# Altium PCB CRD25DA12N-FMC V2 (09-2024).PcbDoc (part 6 of 6)
Units mil, origin at the board's own origin, x right, y up, seen from the top; angles counter-clockwise.
Board outline 8000 x 8000 mil, 6 copper layers (Top Layer, Layer 2, Layer 3, Layer 4, Layer 5, Bottom Layer), stack 91 mil thick; 602 components, 333 nets, 1670 pads, 639 vias.
Unrouted connection lines stored in the file: 1.
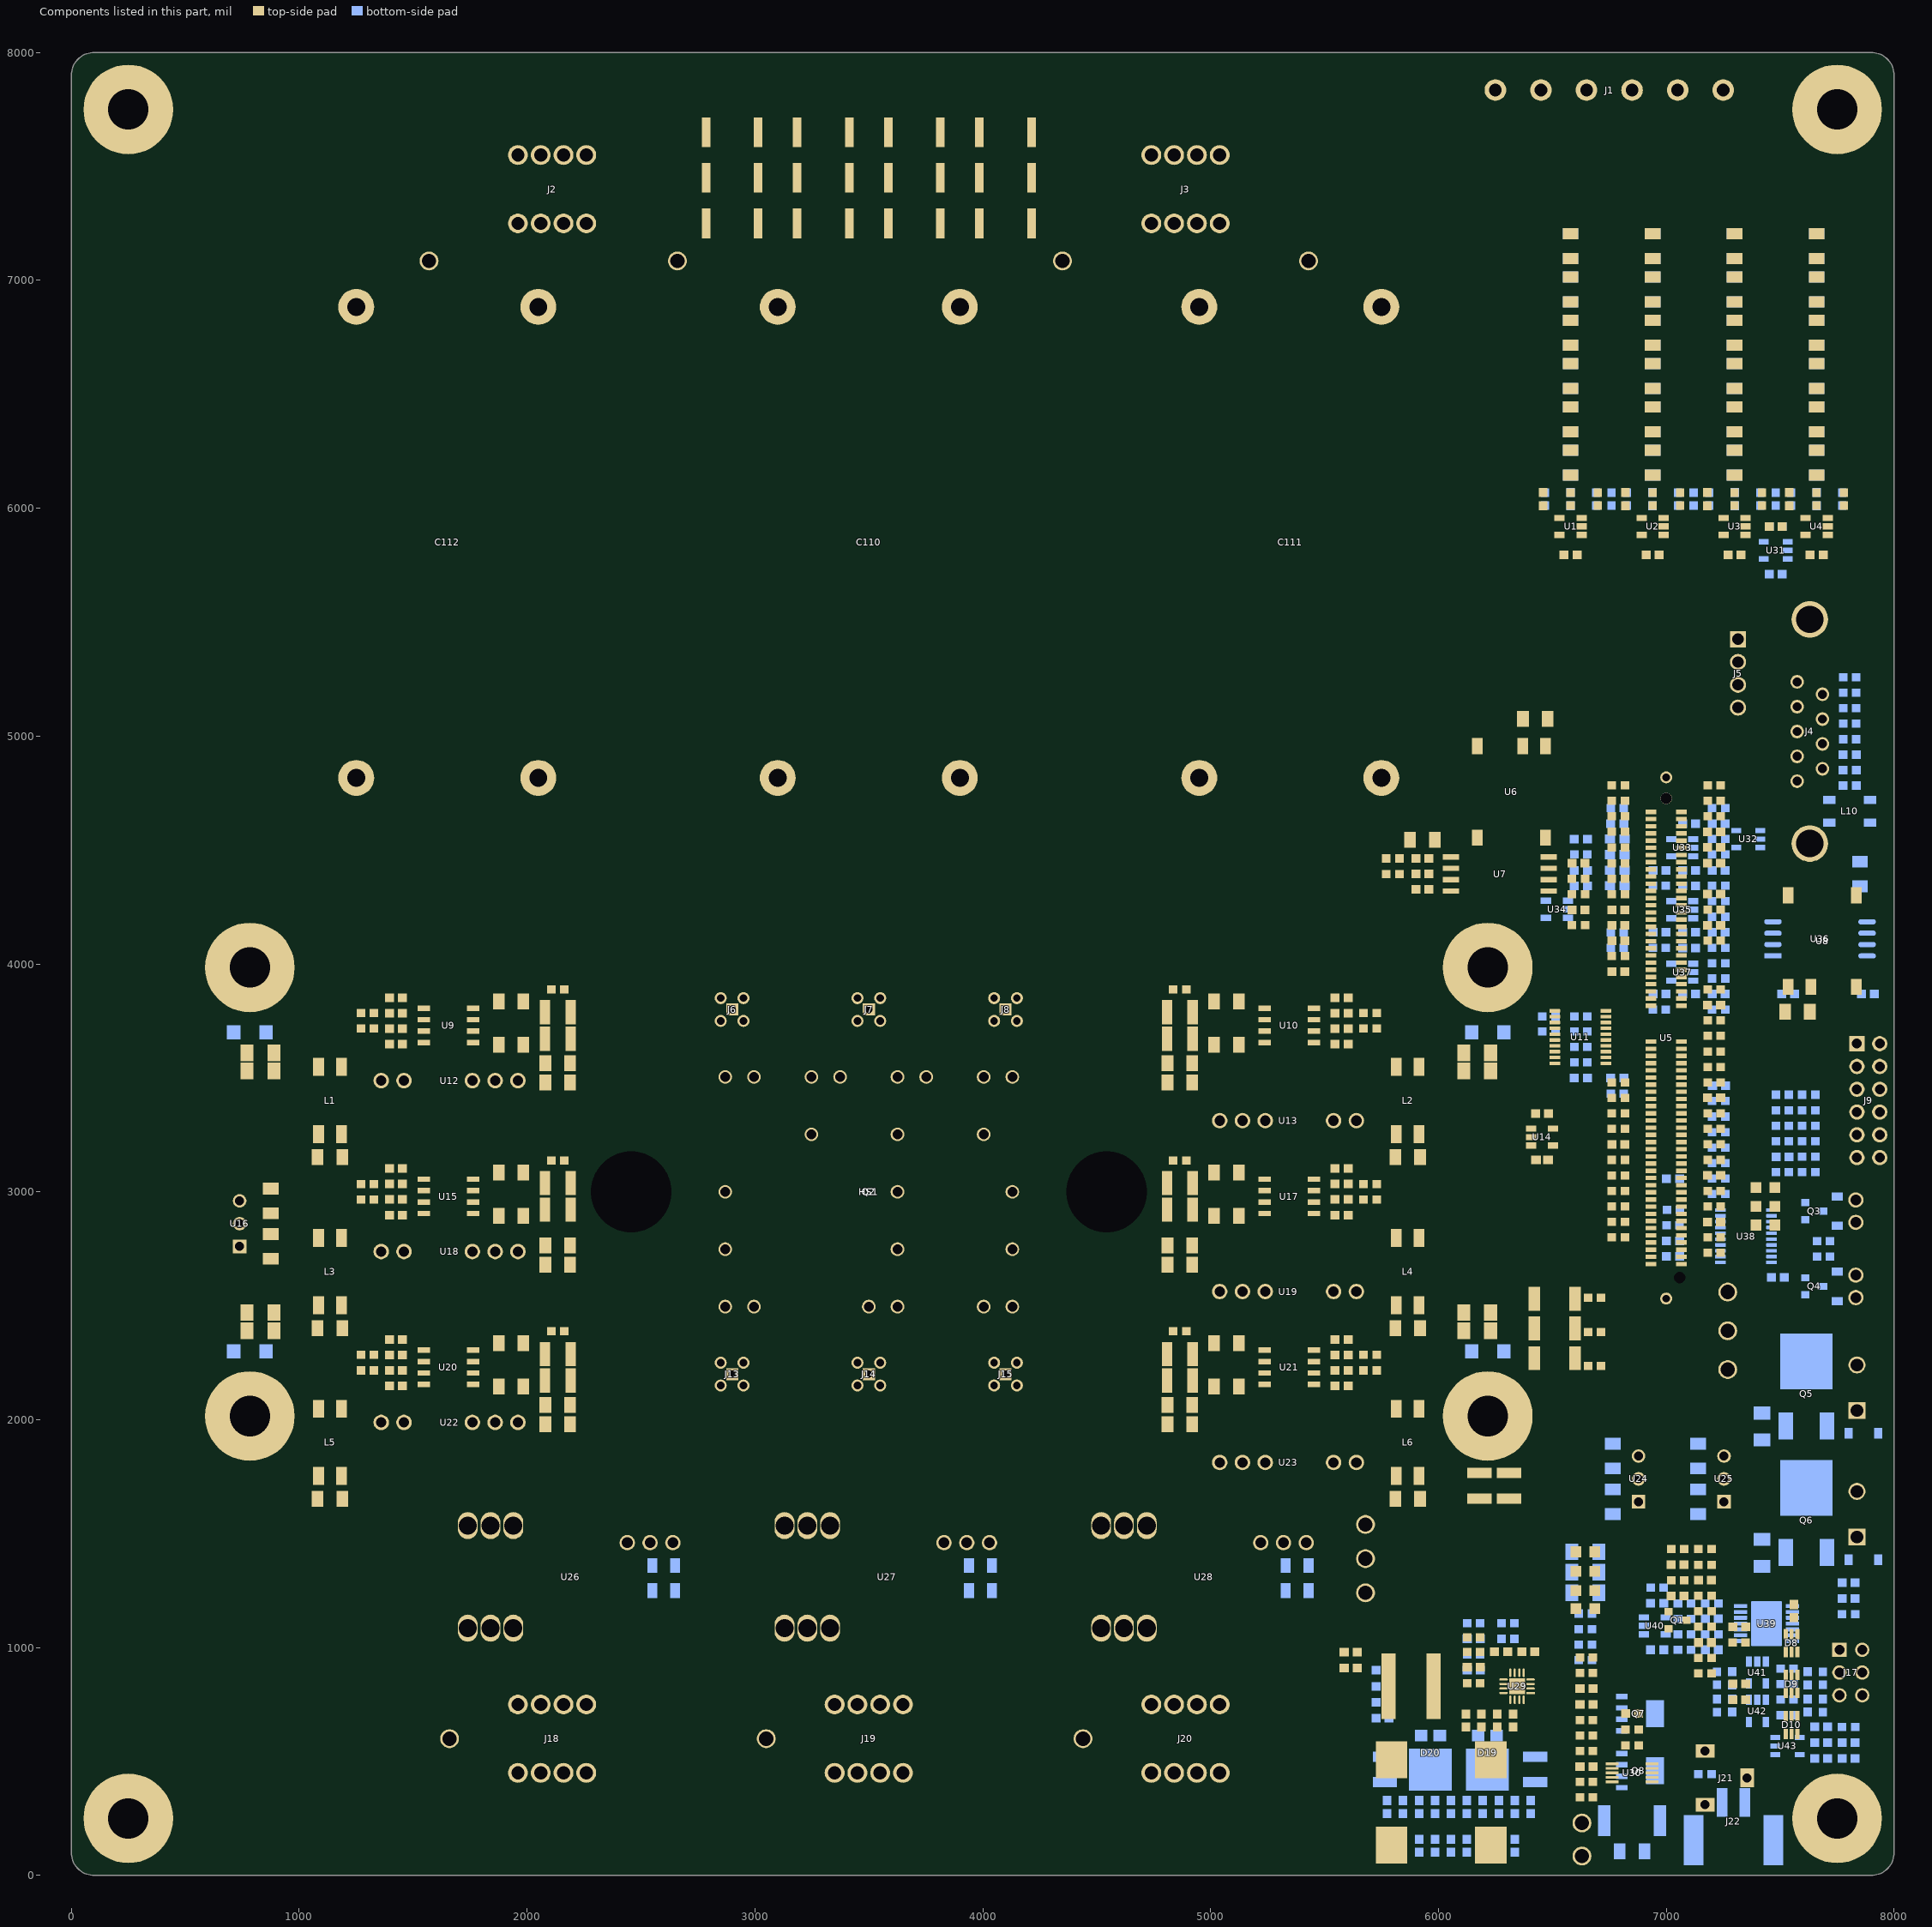
[diagram p10: the components of this part, seen from the top]

## Polygon pours and split planes (outlines as drawn) (continued)
+15V on Bottom Layer "Bottom Layer-+15V 1" (solid, pour order 1128): 3980,1334.96 3980,1489.91 ccw(c3954.91,1489.91) 3954.98,1515 3914.95,1515 ccw(c3915.07,1489.93) 3890,1489.92 3890,1405 3890,1391.3 3890,1334.98 ccw(c3915.03,1335.03) 3914.94,1310 3954.97,1310 ccw(c3954.97,1335.03)
GND on Bottom Layer "Bottom Layer-GND 2" (solid, pour order 1127): 4115,1234.92 4115,1365.14 ccw(c4067.49,1367.5) 4070.08,1415 4035,1415 ccw(c4035.07,1369.93) 3990,1370 3990,1234.92 ccw(c4037.46,1237.47) 4039.85,1190 4070.08,1190 ccw(c4069.99,1235.01)
+15V on Bottom Layer "Bottom Layer-+15V 2" (solid, pour order 1125): 2590,1334.96 2590,1489.91 ccw(c2564.91,1489.91) 2564.98,1515 2524.95,1515 ccw(c2525.07,1489.93) 2500,1489.92 2500,1405 2500,1391.3 2500,1334.98 ccw(c2525.03,1335.03) 2524.94,1310 2564.97,1310 ccw(c2564.97,1335.03)
GND on Bottom Layer "Bottom Layer-GND 3" (solid, pour order 1124): 2720,1234.92 2720,1365 ccw(c2674.92,1369.95) 2680.08,1415 2645,1415 ccw(c2645.07,1369.93) 2600,1370 2600,1234.92 ccw(c2647.46,1237.47) 2649.85,1190 2675.08,1190 ccw(c2674.99,1235.01)
NetC47_2 on Bottom Layer "Bottom Layer-NetC106_2" (solid, pour order 1122): 24 vertices, not listed, extent 1025,3090 1515.4,3540
S3 on Bottom Layer "Bottom Layer-S3" (solid, pour order 285): 21 vertices, not listed, extent 1830,3430 2225.07,3880
-3V_V_HS on Bottom Layer "Bottom Layer--3V_V_HS" (solid, pour order 1063): 1735,3474.9 ccw(c1780,3475) 1777.5,3430.07 ccw(c1775,3475) 1820,3474.91 1820,3515.4 1820.37,3515.77 cw(c1865,3510) 1859.85,3554.7 ccw(c1859.7,3600) 1905,3599.91 1905,3835.14 ccw(c1860,3835) 1860.23,3880 1779.81,3880 ccw(c1780,3835) 1735,3835 1735,3525
+15V_V_HS on Bottom Layer "Bottom Layer-+15V_V_HS" (solid, pour order 1062): 1980,3430 2005.11,3430 ccw(c2005,3475) 2050,3474.9 2050,3480.17 ccw(c2005,3480) 2005.11,3525 1979.86,3525 ccw(c1980,3480) 1935,3480 1935,3525 1935,3477.5 1935,3474.9 ccw(c1980,3475)
S2 on Bottom Layer "Bottom Layer-S2" (solid, pour order 1035): 21 vertices, not listed, extent 1830,1930 2225.07,2380
+15V_U_LS on Bottom Layer "Bottom Layer-+15V_U_LS" (solid, pour order 1030): 1980,1930 2005.11,1930 ccw(c2005,1975) 2050,1974.9 2050,1980.17 ccw(c2005,1980) 2005.11,2025 1979.86,2025 ccw(c1980,1980) 1935,1980 1935,2025 1935,1977.5 1935,1974.9 ccw(c1980,1975)
GND on Bottom Layer "Bottom Layer-GND 1" (solid, pour order 997): 6685,1694.87 ccw(c6730,1695) 6730,1650 6805,1650 6850,1695 6905,1695 ccw(c6904.9,1740.1) 6950,1740 ccw(c6904.88,1739.88) 6905,1785 6850,1785 6805,1830 6773.42,1830 6729.89,1830 ccw(c6730,1785) 6685,1785 6685,1745
+3.3V on Bottom Layer "Bottom Layer-+3.3V" (solid, pour order 985): 6855,1795 6905,1795 ccw(c6904.94,1840.06) 6950,1840 6950,1895 ccw(c6904.94,1894.94) 6905,1940 6729.86,1940 ccw(c6730,1895) 6685,1895 6685,1884.86 ccw(c6730,1885) 6730,1840 6810,1840
+12V on Bottom Layer "Bottom Layer-+12V" (solid, pour order 979): 6855,1685 6905,1685 cw(c6904.94,1639.94) 6950,1640 6950,1585 cw(c6904.94,1585.06) 6905,1540 6729.86,1540 cw(c6730,1585) 6685,1585 6685,1595.13 cw(c6730,1595) 6730,1640 6810,1640
+5V on Bottom Layer "Bottom Layer-+5V" (solid, pour order 978): 7230,1795 7280,1795 ccw(c7279.94,1840.06) 7325,1840 7325,1895 ccw(c7279.94,1894.94) 7280,1940 7104.86,1940 ccw(c7105,1895) 7060,1895 7060,1884.86 ccw(c7105,1885) 7105,1840 7185,1840
+12V on Bottom Layer "Bottom Layer-+12V 1" (solid, pour order 977): 7230,1685 7280,1685 cw(c7279.94,1639.94) 7325,1640 7325,1585 cw(c7279.94,1585.06) 7280,1540 7104.86,1540 cw(c7105,1585) 7060,1585 7060,1595.13 cw(c7105,1595) 7105,1640 7185,1640
GND on Bottom Layer "Bottom Layer-GND 1" (solid, pour order 975): 7060,1694.87 ccw(c7105,1695) 7105,1650 7180,1650 7225,1695 7280,1695 ccw(c7279.9,1740.1) 7325,1740 ccw(c7279.88,1739.88) 7280,1785 7225,1785 7180,1830 7148.42,1830 7104.89,1830 ccw(c7105,1785) 7060,1785 7060,1745
GND_ISO on Bottom Layer "Bottom Layer-GND_ISO 2" (solid, pour order 521): 7905,3810 ccw(c7904.93,3855.07) 7950,3855 7950,3930 7870,3930 7870,3810
GND on Layer 5 "Layer 5-GND" (solid, pour order 2457): 96 vertices, not listed, extent 2380,50 7950,6175
GND on Layer 5 "Layer 3-+5V_ALT" (solid, pour order 2479): 20 vertices, not listed, extent 490,1590 1575,3890
S3 on Layer 5 "Layer 5-S2" (solid, pour order 2473): 1780,3430 2180.14,3430 ccw(c2180,3475) 2225,3475 2225,3865.14 ccw(c2180,3865) 2180,3910 1779.86,3910 ccw(c1780,3865) 1735,3865 1735,3474.86 ccw(c1780,3475)
S1 on Layer 5 "Layer 5-S2" (solid, pour order 2472): 1780,2680 2180.14,2680 ccw(c2180,2725) 2225,2725 2225,3115.14 ccw(c2180,3115) 2180,3160 1779.86,3160 ccw(c1780,3115) 1735,3115 1735,2724.86 ccw(c1780,2725)
DC- on Layer 5 "Layer 3-DC-" (solid, pour order 2106): 57 vertices, not listed, extent 760,2878.55 6240,7740
S5 on Layer 5 "Layer 5-S4" (solid, pour order 2466): 4990,3880 4940,3880 4910,3910 4814.87,3910 ccw(c4815,3865) 4770,3865 4770,3449.83 ccw(c4815,3450) 4815,3405 4890,3405 5020,3275 5220.06,3275 ccw(c5220,3320) 5265,3320 5265,3825.1 ccw(c5220,3825) 5220,3870 5000,3870
S6 on Layer 5 "Layer 5-S4" (solid, pour order 2465): 4990,3130 4940,3130 4910,3160 4814.87,3160 ccw(c4815,3115) 4770,3115 4770,2699.83 ccw(c4815,2700) 4815,2655 4890,2655 5020,2525 5220.06,2525 ccw(c5220,2570) 5265,2570 5265,3075.1 ccw(c5220,3075) 5220,3120 5000,3120
GND_ISO on Layer 5 "Layer 5-GND_ISO" (solid, pour order 2434): 19 vertices, not listed, extent 7255,3810 7950,5585
W on Layer 5 "Layer 5-W" (solid, pour order 2040): 18 vertices, not listed, extent 4045.11,1000 4880.02,2775
V on Layer 5 "Layer 5-V" (solid, pour order 2038): 17 vertices, not listed, extent 2935,1000 3709.89,2775.01
U on Layer 5 "Layer 5-U" (solid, pour order 2036): 23 vertices, not listed, extent 1545,1000 2955,2775
S4 on Layer 5 "Layer 5-S4" (solid, pour order 1930): 4990,2380 4940,2380 4910,2410 4814.87,2410 ccw(c4815,2365) 4770,2365 4770,1949.83 ccw(c4815,1950) 4815,1905 4890,1905 5020,1775 5220.06,1775 ccw(c5220,1820) 5265,1820 5265,2325.1 ccw(c5220,2325) 5220,2370 5000,2370
S2 on Layer 5 "Layer 5-S2" (solid, pour order 1853): 1780,1930 2180.14,1930 ccw(c2180,1975) 2225,1975 2225,2365.14 ccw(c2180,2365) 2180,2410 1779.86,2410 ccw(c1780,2365) 1735,2365 1735,1974.86 ccw(c1780,1975)
+5V_NTC on Top Layer "Top Layer-+5V_NTC" (solid, pour order 2507): 6180,4500 ccw(c6180,4520) 6200,4520 6200,4590 ccw(c6180,4590) 6180,4610 5960,4610 ccw(c5960,4590) 5940,4590 5940,4375 6015,4375 6015,4440 6115,4440 6115,4500
GND_NTC on Top Layer "Top Layer-GND_NTC" (solid, pour order 2500): 6125,4895 ccw(c6145,4895) 6145,4875 6175,4875 ccw(c6175,4895) 6195,4895 6195,5003.23 ccw(c6180,4990) 6180,5010 6145,5010 ccw(c6145,4990) 6125,4990
+12V on Top Layer "Top Layer-+12V 5" (solid, pour order 2080): 20 vertices, not listed, extent 671.87,3355 5880,4500
GND on Top Layer "Top Layer-GND 6" (solid, pour order 1584): 6340,2235 ccw(c6375,2235) 6374.85,2200 6455.15,2200 ccw(c6455,2235) 6490,2234.83 6490,2565.17 ccw(c6455,2565) 6455.18,2600 6374.82,2600 ccw(c6375,2565) 6340,2565
NetC48_1 on Top Layer "Top Layer-NetC135_1" (solid, pour order 2471): 5970,3134.86 cw(c5924.96,3135.04) 5924.96,3090 5915,3090 cw(c5915.08,3135.08) 5870,3135 5870,3210 5870,3255 5870,3320.16 cw(c5915,3320) 5915,3365 5980,3365 cw(c5980,3320) 6025,3320.16 6025,3220 cw(c5992.54,3217.46) 5995,3185 ccw(c6007.84,3149.49) 5970.31,3145.31 5970,3140.19
NetC48_2 on Top Layer "Top Layer-NetC135_2" (solid, pour order 2470): 22 vertices, not listed, extent 5490,3090 5860,3365
GND on Top Layer "Top Layer-+12V" (solid, pour order 879): 1040,3484.87 ccw(c1085,3485) 1085,3440 1085.16,3440 ccw(c1085,3485) 1130,3485 1130,3550 1130,3567.46 1130,3610 ccw(c1085,3610) 1085,3655 ccw(c1085.08,3609.92) 1040,3610 1040,3545
G5 on Top Layer "Top Layer-G5" (solid, pour order 706): 19 vertices, not listed, extent 3705,3465.25 4850,3900
GND on Top Layer "Top Layer-GND" (solid, pour order 1476): 6485,4834.65 6495.17,4834.65 ccw(c6495,4879.65) 6540,4879.61 6540,5105 ccw(c6494.94,5104.94) 6495,5150 6485,5150 ccw(c6485.08,5104.92) 6440,5105 6440,4954.65 6440,4929.65 6440,4879.65 ccw(c6485,4879.65)
GND on Top Layer "Top Layer-GND 8" (solid, pour order 2317): 6075,154.86 ccw(c6130,155) 6130,100 6165,100 6165,55 6295,55 6295,100 6350,100 ccw(c6350,155) 6405,155 6405,160.03 ccw(c6350,160) 6362.76,213.5 6117.24,213.5 ccw(c6130,160) 6075,160
-15V on Top Layer "Top Layer--15V" (solid, pour order 2271): 5565,95 ccw(c5610,95) 5610,50 5979.19,50.01 ccw(c5980,95) 6025,94.79 6025,164.59 ccw(c5980,165) 5979.63,210 5610,210 ccw(c5609.99,165.01) 5565,165 5565,95.13 ccw(c5608.24,95)
NetC105_2 on Top Layer "Top Layer-NetC202_2" (solid, pour order 2267): 6130,605 6215,605 6215,680 6055,680 6055,630 5763,630 5735,630 ccw(c5735,585) 5690,584.73 5690,554.81 ccw(c5735,555) 5735,510 5860,510 5860,535 6130,535
NetC107_2 on Top Layer "NONET_L-01_P-001" (solid, pour order 2115): 6140,595 6140,535 6385,535 6385,680 6230,680 6230,595
GND on Top Layer "NONET_L-01_P-001" (solid, pour order 2129): 6365,810 6365,740 6435,740 6435,810
NetC105_1 on Top Layer "NONET_L-01_P-001" (solid, pour order 2113): 5945,1000 5945,640 6040,640 6040,705 6350,705 6350,795 6305,795 6305,810 6100,810 6055,855 6055,1000
+12V on Top Layer "Top Layer-+12V 4" (solid, pour order 2263): 5690,685 ccw(c5735,685) 5735.13,640 5770.09,640 ccw(c5770,685) 5815,684.83 5814.99,1014.26 ccw(c5770,1015) 5770.13,1060 5735.26,1060 ccw(c5734.99,1015.01) 5690,1015 5690,1014.94 5690,685.65 ccw(c5733.98,685.01)
DC- on Top Layer "Top Layer-DC-" (solid, pour order 2292): 4265,2935 4265,2975.11 ccw(c4210,2975) 4208.55,3029.98 2789.73,3030 ccw(c2790,2975) 2735,2975 2735,2934.89 ccw(c2790,2935) 2788.99,2880.01 4210,2880 ccw(c4210,2935)
DC+ on Top Layer "Top Layer-DC+" (solid, pour order 2282): 2735.23,3240 ccw(c2790,3245) 2791.01,3190.01 4210,3190 ccw(c4210,3245) 4265,3245 4265,3260 ccw(c4210,3260) 4210,3315 2915,3315.02 2915,3290 2790,3290 ccw(c2790,3235)
+5V on Top Layer "Top Layer-+5V 1" (solid, pour order 2162): 17 vertices, not listed, extent 6755,615 7490,1940
GND on Top Layer "Top Layer-GND 5" (solid, pour order 1354): 6095.12,1615 cw(c6095,1640) 6070,1639.9 6070,1680.09 cw(c6095,1680) 6094.88,1705 6230,1705 6385.12,1705 cw(c6385,1680) 6410,1680.14 6410,1639.9 cw(c6385.12,1639.88) 6385.11,1615
G4 on Top Layer "Top Layer-G4" (solid, pour order 696): 23 vertices, not listed, extent 3605,1890 4870,2535
+15V_W_HS on Top Layer "Top Layer-+15V_W_HS 1" (solid, pour order 737): 5190,3775 5165,3800 5095,3800 5095,3870 5220.13,3870 cw(c5220,3825) 5265,3825 5265,3775
G5H on Top Layer "G5H_L01_P733" (solid, pour order 733): 4980,3852.79 4980,3790 5160,3790 5185,3765 5265,3765 5265,3735 4895,3735 4895,3852.8
G3 on Top Layer "Top Layer-G3" (solid, pour order 705): 22 vertices, not listed, extent 2130,3455 3405,4100
G1 on Top Layer "Top Layer-G1" (solid, pour order 703): 2215,3085 2580,3450 2915,3450 2943.97,3450 2965.09,3450 ccw(c2965,3495) 3008.94,3485.28 3008.94,3560 2535,3560 2130,3155 2130,2810 2215,2810
G6 on Top Layer "Top Layer-G6" (solid, pour order 699): 18 vertices, not listed, extent 3955,2445 4870,3150
G2 on Top Layer "Top Layer-G2" (solid, pour order 692): 2175,2350 2175,2400 2150,2400 2150,2350 2130,2350 2130,2110 2210,2110 2210,2165 2490,2445 2999.86,2445 ccw(c3000,2490) 3045,2490 3045,2510.16 ccw(c3000,2510) 3000,2555 2445,2555 2240,2350
+5V_ISO on Top Layer "Top Layer-+5V_ISO" (solid, pour order 1576): 7829.79,4235.21 7883.86,4235.21 ccw(c7880,4270) 7915,4269.83 7915,4370.18 ccw(c7880,4370) 7880.19,4405 7829.79,4405 ccw(c7829.99,4370.01) 7795,4370.01 7795,4270 ccw(c7829.89,4270.1)
GND on Top Layer "Top Layer-GND 7" (solid, pour order 1568): 7465,3735 ccw(c7500,3735) 7499.85,3700 7540.15,3700 ccw(c7540,3735) 7575,3734.8 7575,3930.15 ccw(c7540,3930) 7540.17,3965 7499.83,3965 ccw(c7500,3930) 7465,3930.12
+3.3V on Top Layer "Top Layer-+3.3V" (solid, pour order 1560): 7585,3734.81 ccw(c7620,3735) 7619.85,3700 7640.17,3700 ccw(c7640,3735) 7675,3734.92 7675,3929.81 ccw(c7639.81,3929.81) 7640,3965 7619.76,3965 ccw(c7620,3930) 7585,3930.17
+3.3V on Top Layer "Top Layer-+5V" (solid, pour order 1377): 6345.39,4879.53 ccw(c6390.38,4879.65) 6387.89,4834.72 ccw(c6385.39,4879.65) 6430.39,4879.65 6430.39,5113.21 ccw(c6388.74,5107.96) 6385.91,5149.84 ccw(c6390.42,5105.04) 6345.39,5105
GND_ISO on Top Layer "Top Layer-GND_ISO" (solid, pour order 654): 7855,3810 7880,3810 7905.1,3810 ccw(c7905,3855) 7950,3854.9 7950,3965.17 ccw(c7905,3965) 7905.14,4010 7839.81,4010 ccw(c7840,3965) 7795,3965 7795,3854.86 ccw(c7840,3855) 7840,3810 7855,3810
+12V on Top Layer "Top Layer-+12V 2" (solid, pour order 796): 5870,3484.87 ccw(c5915,3485) 5915,3440 5915.17,3440 ccw(c5915,3485) 5960,3485 5960,3550 5960,3567.46 5960,3610 ccw(c5915,3610) 5915,3655 ccw(c5915.08,3609.92) 5870,3610 5870,3545
+15V_W_HS on Top Layer "Top Layer-+15V_W_HS" (solid, pour order 739): 5040.1,3280 ccw(c5040,3325) 5085,3325 5085,3470.17 ccw(c5040,3470) 5040,3515 4895,3515 4895,3410 5025,3280
+15V_W_LS on Top Layer "Top Layer-+15V_W_LS" (solid, pour order 747): 5040.1,2530 ccw(c5040,2575) 5085,2575 5085,2720.16 ccw(c5040,2720) 5040,2765 4895,2765 4895,2650 5015,2530
+15V_V_LS on Top Layer "Top Layer-+15V_V_LS" (solid, pour order 731): 5040.1,1780 ccw(c5040,1825) 5085,1825 5085,1970.16 ccw(c5040,1970) 5040,2015 4895,2015 4895,1900 5015,1780
NetHS1_3 on Top Layer "Top Layer-NetHS1_3" (solid, pour order 1333): 6315,1715 6365.13,1715 ccw(c6365,1760) 6410,1760 6410,2015 6070,2015 6070,1810 6070,1760 ccw(c6115,1760) 6115,1715 6180,1715
+15V_V_HS on Top Layer "Top Layer-+15V_V_HS" (solid, pour order 669): 19 vertices, not listed, extent 1735,3430 2110,3680
G3H on Top Layer "G3H_L01_P527" (solid, pour order 527): 1820,3690 2020,3690 2020,3610 2105,3610 2105,3725 1735,3725 1735,3690
NetC69_1 on Top Layer "Top Layer-NetC157_1" (solid, pour order 1244): 21 vertices, not listed, extent 1140,2340 1515,2790
NetC47_1 on Top Layer "Top Layer-NetC157_1" (solid, pour order 987): 21 vertices, not listed, extent 1140,3090 1515,3540
NetC87_1 on Top Layer "Top Layer-NetC157_1" (solid, pour order 874): 21 vertices, not listed, extent 1140,1590 1515,2040
NetC47_2 on Top Layer "Top Layer-NetC106_2" (solid, pour order 894): 1085,3090 ccw(c1087.43,3132.58) 1130,3130 1130,3205 1130,3380.13 ccw(c1085,3380) 1085,3425 1069.86,3425 ccw(c1069.92,3380.08) 1025,3380.13 1025,3315 1025,3130 ccw(c1077.84,3142.84) 1065,3090
+5V_ALT on Top Layer "Top Layer-+5V_ALT" (solid, pour order 986): 900,3075 cw(c900,3030) 945,3030.13 945,3010 cw(c899.94,3010.06) 900,2965 840,2965 835,2965 785,2915 715,2915 cw(c715.06,2960.06) 670,2960 670,3025 670,3030 cw(c715.07,3029.93) 715,3075
GND on Top Layer "Top Layer-GND 4" (solid, pour order 899): 18 vertices, not listed, extent 670,2770 945,2950
+12V on Top Layer "Top Layer-+12V 3" (solid, pour order 898): 900,2645 ccw(c900,2690) 945,2689.86 945,2710 ccw(c899.94,2709.94) 900,2755 840,2755 835,2755 785,2805 715,2805 ccw(c715.06,2759.94) 670,2760 670,2695 670,2690 ccw(c715.07,2690.07) 715,2645
+12V on Top Layer "Top Layer-+12V" (solid, pour order 877): 1140,3484.87 ccw(c1185,3485) 1185,3440 1185.16,3440 ccw(c1185,3485) 1230,3485 1230,3550 1230,3567.46 1230,3610 ccw(c1185,3610) 1185,3655 ccw(c1185.08,3609.92) 1140,3610 1140,3545
NetC87_2 on Top Layer "Top Layer-NetC157_2" (solid, pour order 876): 1085,1590 ccw(c1087.43,1632.58) 1130,1630 1130,1705 1130,1880.13 ccw(c1085,1880) 1085,1925 1069.86,1925 ccw(c1069.92,1880.08) 1025,1880.13 1025,1815 1025,1635 ccw(c1070,1635) 1070,1590
NetC69_2 on Top Layer "Top Layer-NetC136_2" (solid, pour order 873): 1085,2340 ccw(c1087.43,2382.58) 1130,2380 1130,2455 1130,2630.13 ccw(c1085,2630) 1085,2675 1069.86,2675 ccw(c1069.92,2630.08) 1025,2630.13 1025,2565 1025,2380 ccw(c1077.84,2392.84) 1065,2340
GND on Top Layer "Top Layer-+12V" (solid, pour order 872): 1040,2734.87 ccw(c1085,2735) 1085,2690 1085.16,2690 ccw(c1085,2735) 1130,2735 1130,2800 1130,2817.46 1130,2860 ccw(c1085,2860) 1085,2905 ccw(c1085.08,2859.92) 1040,2860 1040,2795
+12V on Top Layer "Top Layer-+12V" (solid, pour order 842): 1140,2734.87 ccw(c1185,2735) 1185,2690 1185.16,2690 ccw(c1185,2735) 1230,2735 1230,2800 1230,2817.46 1230,2860 ccw(c1185,2860) 1185,2905 ccw(c1185.08,2859.92) 1140,2860 1140,2795
GND on Top Layer "Top Layer-+12V" (solid, pour order 841): 1040,1984.87 ccw(c1085,1985) 1085,1940 1085.16,1940 ccw(c1085,1985) 1130,1985 1130,2050 1130,2067.46 1130,2110 ccw(c1085,2110) 1085,2155 ccw(c1085.08,2109.92) 1040,2110 1040,2045
+12V on Top Layer "Top Layer-+12V" (solid, pour order 840): 1140,1984.87 ccw(c1185,1985) 1185,1940 1185.16,1940 ccw(c1185,1985) 1230,1985 1230,2050 1230,2067.46 1230,2110 ccw(c1185,2110) 1185,2155 ccw(c1185.08,2109.92) 1140,2110 1140,2045
NetC88_1 on Top Layer "Top Layer-NetC156_1" (solid, pour order 839): 5970,1634.86 cw(c5924.96,1635.04) 5924.96,1590 5915,1590 cw(c5915.08,1635.08) 5870,1635 5870,1710 5870,1755 5870,1820.16 cw(c5915,1820) 5915,1865 5980,1865 cw(c5980,1820) 6025,1820.16 6025,1720 cw(c5992.54,1717.46) 5995,1685 ccw(c6007.84,1649.49) 5970.31,1645.31 5970,1640.19
NetC88_2 on Top Layer "Top Layer-NetC156_2" (solid, pour order 815): 22 vertices, not listed, extent 5490,1590 5860,1865
GND on Top Layer "Top Layer-GND 1" (solid, pour order 814): 5770,1984.87 ccw(c5815,1985) 5815,1940 5815.17,1940 ccw(c5815,1985) 5860,1985 5860,2050 5860,2067.46 5860,2110 ccw(c5815,2110) 5815,2155 ccw(c5815.08,2109.92) 5770,2110 5770,2045
+12V on Top Layer "Top Layer-+12V" (solid, pour order 813): 5870,1984.87 ccw(c5915,1985) 5915,1940 5915.17,1940 ccw(c5915,1985) 5960,1985 5960,2050 5960,2067.46 5960,2110 ccw(c5915,2110) 5915,2155 ccw(c5915.08,2109.92) 5870,2110 5870,2045
GND on Top Layer "Top Layer-GND 2" (solid, pour order 812): 5770,2734.87 ccw(c5815,2735) 5815,2690 5815.17,2690 ccw(c5815,2735) 5860,2735 5860,2800 5860,2817.46 5860,2860 ccw(c5815,2860) 5815,2905 ccw(c5815.08,2859.92) 5770,2860 5770,2795
+12V on Top Layer "Top Layer-+12V 1" (solid, pour order 811): 5870,2734.87 ccw(c5915,2735) 5915,2690 5915.17,2690 ccw(c5915,2735) 5960,2735 5960,2800 5960,2817.46 5960,2860 ccw(c5915,2860) 5915,2905 ccw(c5915.08,2859.92) 5870,2860 5870,2795
NetC70_1 on Top Layer "Top Layer-NetC135_1" (solid, pour order 810): 5970,2384.86 cw(c5924.96,2385.04) 5924.96,2340 5915,2340 cw(c5915.08,2385.08) 5870,2385 5870,2460 5870,2505 5870,2570.16 cw(c5915,2570) 5915,2615 5980,2615 cw(c5980,2570) 6025,2570.16 6025,2470 cw(c5992.54,2467.46) 5995,2435 ccw(c6007.84,2399.49) 5970.31,2395.31 5970,2390.19
NetC70_2 on Top Layer "Top Layer-NetC135_2" (solid, pour order 808): 22 vertices, not listed, extent 5490,2340 5860,2615
GND on Top Layer "Top Layer-GND 3" (solid, pour order 804): 5770,3484.87 ccw(c5815,3485) 5815,3440 5815.17,3440 ccw(c5815,3485) 5860,3485 5860,3550 5860,3567.46 5860,3610 ccw(c5815,3610) 5815,3655 ccw(c5815.08,3609.92) 5770,3610 5770,3545
-3V_W_LS on Top Layer "Top Layer--3V_W_LS" (solid, pour order 787): 25 vertices, not listed, extent 4895,2530.28 5265,2930
S6 on Top Layer "NONET_L-01_P-001" (solid, pour order 746): 4990,2930 4990,2860 5086.63,2860 5086.63,2930
+15V_W_LS on Top Layer "Top Layer-+15V_W_LS 1" (solid, pour order 745): 5190,3025 5165,3050 5095,3050 5095,3120 5220.13,3120 cw(c5220,3075) 5265,3075 5265,3025
S6 on Top Layer "NONET_L-01_P-001" (solid, pour order 744): 4785,2800 4785,2645 4880,2645 4880,2800
S6 on Top Layer "NONET_L-01_P-001" (solid, pour order 743): 4990,3120 4990,3050 5086.63,3050 5086.63,3120
G6L on Top Layer "G6L_L01_P742" (solid, pour order 742): 5180,2940 4980,2940 4980,2860 4895,2860 4895,2975 5265,2975 5265,2940
G6H on Top Layer "G6H_L01_P741" (solid, pour order 741): 4980,3102.79 4980,3040 5160,3040 5185,3015 5265,3015 5265,2985 4895,2985 4895,3102.8
-3V_W_HS on Top Layer "Top Layer--3V_W_HS" (solid, pour order 740): 21 vertices, not listed, extent 4895,3280.28 5265,3680
S5 on Top Layer "NONET_L-01_P-001" (solid, pour order 738): 4990,3680 4990,3610 5086.63,3610 5086.63,3680
S5 on Top Layer "NONET_L-01_P-001" (solid, pour order 736): 4785,3600 4785,3445 4880,3445 4880,3600
S5 on Top Layer "NONET_L-01_P-001" (solid, pour order 735): 4990,3870 4990,3800 5086.63,3800 5086.63,3870
G5L on Top Layer "G5L_L01_P734" (solid, pour order 734): 5180,3690 4980,3690 4980,3610 4895,3610 4895,3725 5265,3725 5265,3690
-3V_V_LS on Top Layer "Top Layer--3V_V_LS" (solid, pour order 732): 21 vertices, not listed, extent 4895,1780.28 5265,2180
S4 on Top Layer "NONET_L-01_P-001" (solid, pour order 725): 4990,2180 4990,2110 5086.63,2110 5086.63,2180
+15V_V_LS on Top Layer "Top Layer-+15V_V_LS 1" (solid, pour order 716): 5190,2275 5165,2300 5095,2300 5095,2370 5220.13,2370 cw(c5220,2325) 5265,2325 5265,2275
S4 on Top Layer "NONET_L-01_P-001" (solid, pour order 714): 4785,2100 4785,1945 4880,1945 4880,2100
S4 on Top Layer "NONET_L-01_P-001" (solid, pour order 713): 4990,2370 4990,2300 5086.63,2300 5086.63,2370
G4L on Top Layer "G4L_L01_P711" (solid, pour order 711): 5180,2190 4980,2190 4980,2110 4895,2110 4895,2225 5265,2225 5265,2190
G4H on Top Layer "G4H_L01_P710" (solid, pour order 710): 4980,2352.79 4980,2290 5160,2290 5185,2265 5265,2265 5265,2235 4895,2235 4895,2352.8
U_OUT on Top Layer "Layer 2-U_OUT" (solid, pour order 709): 25 vertices, not listed, extent 1545,340 2455,1620
W_OUT on Top Layer "Layer 2-W_OUT" (solid, pour order 708): 25 vertices, not listed, extent 4325,340 5235,1620
V_OUT on Top Layer "Layer 2-V_OUT" (solid, pour order 707): 25 vertices, not listed, extent 2935,340 3845,1620
+15V_U_LS on Top Layer "Top Layer-+15V_U_LS" (solid, pour order 688): 17 vertices, not listed, extent 1735,1930 2110,2180
-3V_U_LS on Top Layer "Top Layer--3V_U_LS" (solid, pour order 684): 1810,2275 1835,2300 1905,2300 1905,2370 1779.87,2370 ccw(c1780,2325) 1735,2325 1735,2275
S2 on Top Layer "NONET_L-01_P-001" (solid, pour order 683): 2010,2370 2010,2300 1913.37,2300 1913.37,2370
S2 on Top Layer "NONET_L-01_P-001" (solid, pour order 682): 2010,2180 2010,2110 1913.37,2110 1913.37,2180
-3V_U_LS on Top Layer "NONET_L-01_P-001" (solid, pour order 681): 2105,2100 2105,2030 2010,2030 2010,2100
S2 on Top Layer "NONET_L-01_P-001" (solid, pour order 680): 2215,2100 2215,1945 2120,1945 2120,2100
G2H on Top Layer "G2H_L01_P679" (solid, pour order 679): 1820,2190 2020,2190 2020,2110 2105,2110 2105,2225 1735,2225 1735,2190
G2L on Top Layer "G2L_L01_P678" (solid, pour order 678): 2020,2352.79 2020,2290 1840,2290 1815,2265 1735,2265 1735,2235 2105,2235 2105,2352.8
+15V_U_HS on Top Layer "Top Layer-+15V_U_HS" (solid, pour order 677): 23 vertices, not listed, extent 1735,2645 2110,2930
-3V_U_HS on Top Layer "Top Layer--3V_U_HS" (solid, pour order 676): 1810,3025 1835,3050 1905,3050 1905,3120 1779.87,3120 ccw(c1780,3075) 1735,3075 1735,3025
S1 on Top Layer "NONET_L-01_P-001" (solid, pour order 675): 2010,3120 2010,3050 1913.37,3050 1913.37,3120
S1 on Top Layer "NONET_L-01_P-001" (solid, pour order 674): 2010,2930 2010,2860 1913.37,2860 1913.37,2930
-3V_U_HS on Top Layer "NONET_L-01_P-001" (solid, pour order 673): 2105,2850 2105,2780 2010,2780 2010,2850
S1 on Top Layer "NONET_L-01_P-001" (solid, pour order 672): 2215,2800 2215,2645 2120,2645 2120,2800
G1H on Top Layer "G1H_L01_P671" (solid, pour order 671): 1820,2940 2020,2940 2020,2860 2105,2860 2105,2975 1735,2975 1735,2940
G1L on Top Layer "G1L_L01_P670" (solid, pour order 670): 2020,3102.79 2020,3040 1840,3040 1815,3015 1735,3015 1735,2985 2105,2985 2105,3102.8
S3 on Top Layer "NONET_L-01_P-001" (solid, pour order 658): 2010,3870 2010,3800 1913.37,3800 1913.37,3870
-3V_V_HS on Top Layer "Top Layer--3V_V_HS" (solid, pour order 668): 1810,3775 1835,3800 1905,3800 1905,3870 1779.87,3870 ccw(c1780,3825) 1735,3825 1735,3775
G3L on Top Layer "G3L_L01_P403" (solid, pour order 403): 2020,3852.79 2020,3790 1840,3790 1815,3765 1735,3765 1735,3735 2105,3735 2105,3852.8
S3 on Top Layer "NONET_L-01_P-001" (solid, pour order 657): 2010,3680 2010,3610 1913.37,3610 1913.37,3680
-3V_V_HS on Top Layer "NONET_L-01_P-001" (solid, pour order 656): 2105,3600 2105,3530 2010,3530 2010,3600
S3 on Top Layer "NONET_L-01_P-001" (solid, pour order 655): 2215,3600 2215,3445 2120,3445 2120,3600

## Keep-outs
Top Layer:
  lines w10: 3720.01,2054.2 ccw(c3770,2055) 3770.8,2005.01
Layer 2:
  circle w10: c7000,4726.18 r28.16
  circle w10: c7059.06,2623.82 r28.16
  lines w10: 1780,2315 1805,2315 ; 1780,3015 1805,3015 ; 1780,3715 1805,3715
Layer 3:
  circle w10: c7000,4726.18 r28.16
  circle w10: c7059.06,2623.82 r28.16
Layer 4:
  circle w10: c7000,4726.18 r28.16
  circle w10: c7059.06,2623.82 r28.16
Layer 5:
  circle w10: c7000,4726.18 r28.16
  circle w10: c7059.06,2623.82 r28.16

## Other copper
Layer 3:
  pour cut-out: 2787,3975 ccw(c2794.74,3905.26) 2725,3897.5 2725,3446.67 ccw(c2794.78,3444.78) 2792.89,3375 3040,3375 cw(c3040.01,3295.01) 3120,3295 3120,3195 ccw(c3190,3195) 3190,3125 4060,3125 ccw(c4060,3195) 4130,3195 4130,3300 cw(c4205,3300) 4205,3375 ccw(c4205,3445) 4275,3445 4275,3905 ccw(c4205.01,3905.01) 4205,3975
Layer 4:
  pour cut-out: 2787,3975 ccw(c2794.74,3905.26) 2725,3897.5 2725,3446.67 ccw(c2794.78,3444.78) 2792.89,3375 4204.85,3375 ccw(c4205,3445) 4275,3445 4275,3905 ccw(c4205.01,3905.01) 4205,3975
Layer 5:
  pour cut-out: 2787,3975 ccw(c2794.74,3905.26) 2725,3897.5 2725,3446.67 ccw(c2794.78,3444.78) 2792.89,3375 3040,3375 cw(c3040.01,3295.01) 3120,3295 3120,3195 ccw(c3190,3195) 3190,3125 4060,3125 ccw(c4060,3195) 4130,3195 4130,3300 cw(c4205,3300) 4205,3375 ccw(c4205,3445) 4275,3445 4275,3905 ccw(c4205.01,3905.01) 4205,3975
Bottom Layer:
  pour cut-out: 2820,4010 ccw(c2819.97,3890.02) 2700,3890 2700,3505 ccw(c2870,3505) 2870,3335 4135,3335 ccw(c4135.18,3499.82) 4300,3500 4300,3895 ccw(c4185.02,3895.02) 4185,4010

## Silkscreen, mask and mechanical layers (free items; w line width, h text height)
Top Overlay:
  drawing of 153 lines, arcs and shapes, not listed
  text "+" at 2026.69,7914.65 h250 r180
  text "-" at 4806.69,7914.96 h250 r180
  text "W-" at 6200.02,7585 h60
  text "W+" at 6400.02,7585 h60
  text "V-" at 6600.02,7585 h60
  text "V+" at 6800.02,7585 h60
  text "U-" at 7000.02,7585 h60
  text "U+" at 7200.02,7585 h60
  text "DC+" at 1490.03,7170 h60
  text "DC+" at 2580.03,7170 h60
  text "DC-" at 4270.03,7170 h60
  text "DC-" at 5350.03,7170 h60
  text "H" at 696.25,7076.88 h900
  text "CAUTION / HIGH VOLTAGE" at 660.11,7019.04 h60
  text "+5VISO" at 6971.56,5407.51 h35
  text "25kW WolfPACK FM3 Six-Pack Inverter / PN CRD25DA12N-FMC, V2.0 09/2024" at 1763.05,5355 h100
  text "CANH" at 7035.71,5307.51 h35
  text "CANL" at 7035.71,5207.51 h35
  text "GNDISO" at 6971.56,5107.51 h35
  text "U-HS / (G1)" at 2780.04,3880 h60
  text "V-HS / (G3)" at 3380.04,3880 h60
  text "W-HS / (G5)" at 3980.04,3880 h60
  text "(OFF)" at 2231,3747 h35
  text "(ON)" at 4658.2,3747 h35
  text "PWR" at 7514,3633.35 h35 r90
  text "(ON)" at 2231,3631 h35
  text "(OFF)" at 4623.21,3631 h35
  text "3.3" at 7546.26,3631 h35
  text "+5" at 7680.84,3631 h35
  text "A0" at 7560.84,3531 h35
  text "A1" at 7686.67,3531 h35
  text "ADC" at 7514,3513.35 h35 r90
  text "7A" at 7560.84,3431 h35
  text "7B" at 7680.84,3431 h35
  text "PWM" at 7514,3393.35 h35 r90
  text "35" at 7560.84,3331 h35
  text "54" at 7680.84,3331 h35
  text "55" at 7560.84,3231 h35
  text "57" at 7680.84,3231 h35
  text "GPIO" at 7514,3228.77 h35 r90
  text "GND" at 7543.35,3131 h35
  text "+12" at 7666.26,3131 h35
  text "PWR" at 7514,3105.7 h35 r90
  text "T-AMB" at 6220.09,3025 h60
  text "+" at 7647.49,2963.34 h35 r90
  text "2" at 7647.49,2928.34 h35 r90
  text "-" at 7647.49,2893.34 h35 r90
  text "(OFF)" at 2336,2706 h35
  text "(ON)" at 4553.2,2706 h35
  text "FANS" at 7645,2640.04 h60 r90
  text "(ON)" at 2336,2591 h35
  text "(OFF)" at 4518.21,2591 h35
  text "+" at 7647.49,2583.34 h35 r90
  text "1" at 7647.49,2554.17 h35 r90
  text "3.3V" at 7350,2535 h60
  text "-" at 7647.49,2513.34 h35 r90
  text "+5V" at 7350,2365 h60
  text "2-" at 7625,2250.02 h60 r90
  text "(OFF)" at 2231,2247 h35
  text "(ON)" at 4658.2,2247 h35
  text "GND" at 7350,2195 h60
  text "(ON)" at 2231,2131 h35
  text "(OFF)" at 4623.21,2131 h35
  text "2+" at 7625,2050.02 h60 r90
  text "U-LS / (G2)" at 2780.04,1944.04 h60
  text "V-LS / (G4)" at 3380.04,1944.04 h60
  text "W-LS / (G6)" at 3980.04,1944.04 h60
  text "RELAYS" at 7530,1725.06 h60 r90
  text "1-" at 7625,1640.01 h60 r90
  text "+15V" at 5770,1515 h60
  text "1+" at 7625,1440.01 h60 r90
  text "+3.3V" at 6250.09,1390 h60
  text "-15V" at 5770,1365 h60
  text "+5V" at 6360.05,1305 h60
  text "+15V" at 6310.07,1220 h60
  text "GND" at 5770,1215 h60
  text "-15V" at 6310.07,1140 h60
  text "U" at 1640.01,685 h60
  text "V" at 3030.01,685 h60
  text "W" at 4420.01,685 h60
  text "1" at 7499,534.17 h35 r90
  text "2" at 7564,528.34 h35 r90
  text "3" at 7499,478.34 h35 r90
  text "4" at 7564,478.34 h35 r90
  text "5" at 7499,428.34 h35 r90
  text "6" at 7564,428.34 h35 r90
  text "-" at 7465,364.99 h60 r180
  text "+12V" at 6720,205 h60
  text "+" at 7465,95 h60 r180
  text "U" at 2026.69,85 h250
  text "V" at 3416.69,85 h250
  text "W" at 4806.69,85 h250
  text "GND" at 6720,60 h60
  text "+12V" at 7496,16 h35
Bottom Overlay:
  lines w8: 6614.61,6089.61 6623.8,6098.8 ; 6974.61,6089.61 6983.8,6098.8 ; 7277.48,4717.7 7295.2,4717.7 ; 7334.61,6089.61 7343.8,6098.8 ; 7694.61,6089.61 7703.8,6098.8 ; 7880,755 7880,669 7990,669 ; 7885,821 7992,821 7992,669
  lines w10: 5720,305 5740.39,305 ; 5790,130 5810.39,130 ; 6541.74,4445 6543.04,4446.3 6577.52,4446.3 ; 6900,4015 6921.3,4036.3 6922.52,4036.3 ; 6900,4288 6921.3,4309.3 ; 6935,1300 6935,1350 ; 7080,1230 7080,1250 ; 7170,745 7185,745 ; 7170,865 7185,865 ; 7225,1230 7225,1250 ; 7310,465 7235,465 7235,635 7400,635 7400,465 ; 7395,620 7433.22,620 7482.52,669.3 ; 7508.68,3461.14 7508.68,3480 ; 7545,310 7415,310 7415,465 7555,465 ; 7555,360 7555,465 ; 7625,3394 7625,3407 ; 7632.5,477.5 7620,465 7555,465 ; 7725,717.5 7874.5,717.5 ; 5135,195 5715,195 5715,375 5135,375 5135,195 ; 5315,15 5785,15 5785,195 5315,195 5315,15 ; 6205,4315 6541.74,4315 6541.74,4575 6205,4575 6205,4315 ; 6580,3900 6900,3900 6900,4020 6580,4020 6580,3900 ; 6620,4185 6900,4185 6900,4295 6620,4295 6620,4185 ; 6832.5,1350 6997.5,1350 6997.5,1470 6832.5,1470 6832.5,1350 ; 7017.5,1250 7182.5,1250 7182.5,1470 7017.5,1470 7017.5,1250 ; 7050,600 7170,600 7170,765 7050,765 7050,600 ; 7050,780 7170,780 7170,940 7050,940 7050,780 ; 7202.5,1250 7367.5,1250 7367.5,1470 7202.5,1470 7202.5,1250 ; 7297.5,4719 7462.5,4719 7462.5,4939 7297.5,4939 7297.5,4719 ; 7435,3480 7775,3480 7775,3800 7435,3800 7435,3480
Board Outline:
  lines w0: 0,100 ccw(c100,100) 100,0 7900,0 ccw(c7900,100) 8000,100 8000,7900 ccw(c7900,7900) 7900,8000 100,8000 ccw(c100,7900) 0,7900 0,100
  lines w1: 1605,1850 ccw(c1617.5,1862.5) 1630,1850 1630,2150 ccw(c1617.5,2137.5) 1605,2150 1605,1850 ; 1605,2300 ccw(c1617.5,2312.5) 1630,2300 1630,2600 ccw(c1617.5,2587.5) 1605,2600 1605,2300 ; 1605,2750 ccw(c1617.5,2762.5) 1630,2750 1630,3050 ccw(c1617.5,3037.5) 1605,3050 1605,2750 ; 1605,3200 ccw(c1617.5,3212.5) 1630,3200 1630,3500 ccw(c1617.5,3487.5) 1605,3500 1605,3200 ; 1605,3650 ccw(c1617.5,3662.5) 1630,3650 1630,3950 ccw(c1617.5,3937.5) 1605,3950 1605,3650 ; 1680,2075 ccw(c1692.5,2087.5) 1705,2075 1705,2375 ccw(c1692.5,2362.5) 1680,2375 1680,2075 ; 1680,2525 ccw(c1692.5,2537.5) 1705,2525 1705,2825 ccw(c1692.5,2812.5) 1680,2825 1680,2525 ; 1680,2975 ccw(c1692.5,2987.5) 1705,2975 1705,3275 ccw(c1692.5,3262.5) 1680,3275 1680,2975 ; 1680,3425 ccw(c1692.5,3437.5) 1705,3425 1705,3725 ccw(c1692.5,3712.5) 1680,3725 1680,3425 ; 5295,1625 ccw(c5307.5,1637.5) 5320,1625 5320,1925 ccw(c5307.5,1912.5) 5295,1925 5295,1625 ; 5295,2075 ccw(c5307.5,2087.5) 5320,2075 5320,2375 ccw(c5307.5,2362.5) 5295,2375 5295,2075 ; 5295,2525 ccw(c5307.5,2537.5) 5320,2525 5320,2825 ccw(c5307.5,2812.5) 5295,2825 5295,2525 ; 5295,2975 ccw(c5307.5,2987.5) 5320,2975 5320,3275 ccw(c5307.5,3262.5) 5295,3275 5295,2975 ; 5295,3425 ccw(c5307.5,3437.5) 5320,3425 5320,3725 ccw(c5307.5,3712.5) 5295,3725 5295,3425 ; 5370,1850 ccw(c5382.5,1862.5) 5395,1850 5395,2150 ccw(c5382.5,2137.5) 5370,2150 5370,1850 ; 5370,2300 ccw(c5382.5,2312.5) 5395,2300 5395,2600 ccw(c5382.5,2587.5) 5370,2600 5370,2300 ; 5370,2750 ccw(c5382.5,2762.5) 5395,2750 5395,3050 ccw(c5382.5,3037.5) 5370,3050 5370,2750 ; 5370,3200 ccw(c5382.5,3212.5) 5395,3200 5395,3500 ccw(c5382.5,3487.5) 5370,3500 5370,3200 ; 5370,3650 ccw(c5382.5,3662.5) 5395,3650 5395,3950 ccw(c5382.5,3937.5) 5370,3950 5370,3650
  lines w10: 55,-8425 ccw(c55,-8325) 155,-8325 ; 0,100 ccw(c100,100) 100,0 7900,0 ccw(c7900,100) 8000,100 8000,7900 ccw(c7900,7900) 7900,8000 100,8000 ccw(c100,7900) 0,7900 0,100
Drill Drawing:
  drawing of 189 lines, arcs and shapes, not listed
  text "*" at 140,12135 h60
  text "THESE HOLES (1.10MM +/- 0.05MM) ARE FOR PRESS-FIT PART. USE 46.5MIL +/- 1MIL DRILLED HOLES. COPPER THICKNESS IN HOLE 25-50UM." at 235,12080 h100
  text "w" at 9.31,12054.72 h200
  text "^" at 145,11950.01 h60
  text "THESE HOLES (1.48MM +/- 0.05MM) ARE FOR PRESS-FIT PART. USE 63.0MIL +/- 1MIL DRILLED HOLES. COPPER THICKNESS IN HOLE 25-60UM." at 240,11885 h100
  text "w" at 15.85,11866.66 h200
  text "Symbol" at 97.5,11728.94 h72
  text "Count" at 603.38,11728.94 h72
  text "Hole Size" at 1203.22,11728.94 h72
  text "Plated" at 2302.9,11728.94 h72
  text "Hole Type" at 2808.77,11728.94 h72
  text "Drill Layer Pair" at 3542.57,11728.94 h72
  text "Via/Pad" at 5042.13,11728.94 h72
  text "Pad Shape" at 5631.97,11728.94 h72
  text "Hole Tolerance (+)" at 6377.77,11728.94 h72
  text "Hole Tolerance (-)" at 7711.38,11728.94 h72
  text "Hole Length" at 9044.99,11728.94 h72
  text "Routed Path Length" at 10074.69,11728.94 h72
  text "20" at 603.38,11578.94 h60
  text "0.20mm (7.87mil)" at 1203.22,11578.94 h60
  text "PTH" at 2302.9,11578.94 h60
  text "Round" at 2808.77,11578.94 h60
  text "Top Layer - Bottom Layer" at 3542.57,11578.94 h60
  text "Via" at 5042.13,11578.94 h60
  text "Rounded" at 5631.97,11578.94 h60
  text "0.08mm (3.00mil)" at 6377.77,11578.94 h60
  text "0.08mm (3.00mil)" at 7711.38,11578.94 h60
  text "-" at 9044.99,11578.94 h60
  text "-" at 10074.69,11578.94 h60
  text "543" at 603.38,11428.94 h60
  text "0.33mm (13.00mil)" at 1203.22,11428.94 h60
  text "PTH" at 2302.9,11428.94 h60
  text "Round" at 2808.77,11428.94 h60
  text "Top Layer - Bottom Layer" at 3542.57,11428.94 h60
  text "Via" at 5042.13,11428.94 h60
  text "Rounded" at 5631.97,11428.94 h60
  text "0.08mm (3.00mil)" at 6377.77,11428.94 h60
  text "0.08mm (3.00mil)" at 7711.38,11428.94 h60
  text "-" at 9044.99,11428.94 h60
  text "-" at 10074.69,11428.94 h60
  text "A" at 68.41,11418.95 h66.67
  text "76" at 603.38,11278.94 h60
  text "0.71mm (28.00mil)" at 1203.22,11278.94 h60
  text "PTH" at 2302.9,11278.94 h60
  text "Round" at 2808.77,11278.94 h60
  text "Top Layer - Bottom Layer" at 3542.57,11278.94 h60
  text "Via" at 5042.13,11278.94 h60
  text "Rounded" at 5631.97,11278.94 h60
  text "0.08mm (3.00mil)" at 6377.77,11278.94 h60
  text "0.08mm (3.00mil)" at 7711.38,11278.94 h60
  text "-" at 9044.99,11278.94 h60
  text "-" at 10074.69,11278.94 h60
  text "32" at 603.38,11128.94 h60
  text "0.84mm (33.07mil)" at 1203.22,11128.94 h60
  text "PTH" at 2302.9,11128.94 h60
  text "Round" at 2808.77,11128.94 h60
  text "Top Layer - Bottom Layer" at 3542.57,11128.94 h60
  text "Pad" at 5042.13,11128.94 h60
  text "(Mixed)" at 5631.97,11128.94 h60
  text "0.08mm (3.00mil)" at 6377.77,11128.94 h60
  text "0.08mm (3.00mil)" at 7711.38,11128.94 h60
  text "-" at 9044.99,11128.94 h60
  text "-" at 10074.69,11128.94 h60
  text "18" at 603.38,10978.94 h60
  text "1.00mm (39.37mil)" at 1203.22,10978.94 h60
  text "PTH" at 2302.9,10978.94 h60
  text "Round" at 2808.77,10978.94 h60
  text "Top Layer - Bottom Layer" at 3542.57,10978.94 h60
  text "Pad" at 5042.13,10978.94 h60
  text "(Mixed)" at 5631.97,10978.94 h60
  text "0.08mm (3.00mil)" at 6377.77,10978.94 h60
  text "0.08mm (3.00mil)" at 7711.38,10978.94 h60
  text "-" at 9044.99,10978.94 h60
  text "-" at 10074.69,10978.94 h60
  text "3" at 603.38,10828.94 h60
  text "1.00mm (39.37mil)" at 1203.22,10828.94 h60
  text "PTH" at 2302.9,10828.94 h60
  text "Slot" at 2808.77,10828.94 h60
  text "Top Layer - Bottom Layer" at 3542.57,10828.94 h60
  text "Pad" at 5042.13,10828.94 h60
  text "Rectangle" at 5631.97,10828.94 h60
  text "0.08mm (3.00mil)" at 6377.77,10828.94 h60
  text "0.08mm (3.00mil)" at 7711.38,10828.94 h60
  text "1.60mm (62.99mil)" at 9044.99,10828.94 h60
  text "0.60mm (23.62mil)" at 10074.69,10828.94 h60
  text "B" at 68.41,10818.95 h66.67
  text "23" at 603.38,10678.94 h60
  text "1.10mm (43.31mil)" at 1203.22,10678.94 h60
  text "PTH" at 2302.9,10678.94 h60
  text "Round" at 2808.77,10678.94 h60
  text "Top Layer - Bottom Layer" at 3542.57,10678.94 h60
  text "Pad" at 5042.13,10678.94 h60
  text "Rounded" at 5631.97,10678.94 h60
  text "0.05mm (1.97mil)" at 6377.77,10678.94 h60
  text "0.05mm (1.97mil)" at 7711.38,10678.94 h60
  text "-" at 9044.99,10678.94 h60
  text "-" at 10074.69,10678.94 h60
  text "*" at -90,10575 h60
  text "18" at 603.38,10528.94 h60
  text "1.10mm (43.31mil)" at 1203.22,10528.94 h60
  text "PTH" at 2302.9,10528.94 h60
  text "Round" at 2808.77,10528.94 h60
  text "Top Layer - Bottom Layer" at 3542.57,10528.94 h60
  text "Pad" at 5042.13,10528.94 h60
  text "(Mixed)" at 5631.97,10528.94 h60
  text "0.08mm (3.00mil)" at 6377.77,10528.94 h60
  text "0.08mm (3.00mil)" at 7711.38,10528.94 h60
  text "-" at 9044.99,10528.94 h60
  text "-" at 10074.69,10528.94 h60
  text "D" at 68.41,10518.95 h66.67
  text "w" at -220.69,10494.72 h200
  text "30" at 603.38,10378.94 h60
  text "1.15mm (45.28mil)" at 1203.22,10378.94 h60
  text "PTH" at 2302.9,10378.94 h60
  text "Round" at 2808.77,10378.94 h60
  text "Top Layer - Bottom Layer" at 3542.57,10378.94 h60
  text "Pad" at 5042.13,10378.94 h60
  text "Rounded" at 5631.97,10378.94 h60
  text "0.08mm (3.00mil)" at 6377.77,10378.94 h60
  text "0.08mm (3.00mil)" at 7711.38,10378.94 h60
  text "-" at 9044.99,10378.94 h60
  text "-" at 10074.69,10378.94 h60
  text "4" at 603.38,10228.94 h60
  text "1.19mm (47.00mil)" at 1203.22,10228.94 h60
  text "PTH" at 2302.9,10228.94 h60
  text "Round" at 2808.77,10228.94 h60
  text "Top Layer - Bottom Layer" at 3542.57,10228.94 h60
  text "Pad" at 5042.13,10228.94 h60
  text "Rounded" at 5631.97,10228.94 h60
  text "0.08mm (3.00mil)" at 6377.77,10228.94 h60
  text "0.08mm (3.00mil)" at 7711.38,10228.94 h60
  text "-" at 9044.99,10228.94 h60
  text "-" at 10074.69,10228.94 h60
  text "C" at 68.41,10218.95 h66.67
  text "9" at 603.38,10078.94 h60
  text "1.20mm (47.24mil)" at 1203.22,10078.94 h60
  text "PTH" at 2302.9,10078.94 h60
  text "Round" at 2808.77,10078.94 h60
  text "Top Layer - Bottom Layer" at 3542.57,10078.94 h60
  text "Pad" at 5042.13,10078.94 h60
  text "Rounded" at 5631.97,10078.94 h60
  text "0.08mm (3.00mil)" at 6377.77,10078.94 h60
  text "0.08mm (3.00mil)" at 7711.38,10078.94 h60
  text "-" at 9044.99,10078.94 h60
  text "-" at 10074.69,10078.94 h60
  text "2" at 603.38,9928.94 h60
  text "1.27mm (50.00mil)" at 1203.22,9928.94 h60
  text "NPTH" at 2302.9,9928.94 h60
  text "Round" at 2808.77,9928.94 h60
  text "Top Layer - Bottom Layer" at 3542.57,9928.94 h60
  text "Pad" at 5042.13,9928.94 h60
  text "Rounded" at 5631.97,9928.94 h60
  text "0.08mm (3.00mil)" at 6377.77,9928.94 h60
  text "0.08mm (3.00mil)" at 7711.38,9928.94 h60
  text "-" at 9044.99,9928.94 h60
  text "-" at 10074.69,9928.94 h60
  text "4" at 603.38,9778.94 h60
  text "1.27mm (50.00mil)" at 1203.22,9778.94 h60
  text "PTH" at 2302.9,9778.94 h60
  text "Round" at 2808.77,9778.94 h60
  text "Top Layer - Bottom Layer" at 3542.57,9778.94 h60
  text "Pad" at 5042.13,9778.94 h60
  text "(Mixed)" at 5631.97,9778.94 h60
  text "0.08mm (3.00mil)" at 6377.77,9778.94 h60
  text "0.08mm (3.00mil)" at 7711.38,9778.94 h60
  text "-" at 9044.99,9778.94 h60
  text "-" at 10074.69,9778.94 h60
  text "10" at 603.38,9628.94 h60
  text "1.40mm (55.12mil)" at 1203.22,9628.94 h60
  text "PTH" at 2302.9,9628.94 h60
  text "Round" at 2808.77,9628.94 h60
  text "Top Layer - Bottom Layer" at 3542.57,9628.94 h60
  text "Pad" at 5042.13,9628.94 h60
  text "(Mixed)" at 5631.97,9628.94 h60
  text "0.08mm (3.00mil)" at 6377.77,9628.94 h60
  text "0.08mm (3.00mil)" at 7711.38,9628.94 h60
  text "-" at 9044.99,9628.94 h60
  text "-" at 10074.69,9628.94 h60
  text "^" at -100,9525.01 h60
  text "40" at 603.38,9478.94 h60
  text "1.48mm (58.07mil)" at 1203.22,9478.94 h60
  text "PTH" at 2302.9,9478.94 h60
  text "Round" at 2808.77,9478.94 h60
  text "Top Layer - Bottom Layer" at 3542.57,9478.94 h60
  text "Pad" at 5042.13,9478.94 h60
  text "Rounded" at 5631.97,9478.94 h60
  text "0.05mm (1.97mil)" at 6377.77,9478.94 h60
  text "0.05mm (1.97mil)" at 7711.38,9478.94 h60
  text "-" at 9044.99,9478.94 h60
  text "-" at 10074.69,9478.94 h60
  text "E" at 68.41,9468.95 h66.67
  text "w" at -229.15,9441.66 h200
  text "15" at 603.38,9328.94 h60
  text "1.60mm (62.99mil)" at 1203.22,9328.94 h60
  text "PTH" at 2302.9,9328.94 h60
  text "Round" at 2808.77,9328.94 h60
  text "Top Layer - Bottom Layer" at 3542.57,9328.94 h60
  text "Pad" at 5042.13,9328.94 h60
  text "Rounded" at 5631.97,9328.94 h60
  text "0.08mm (3.00mil)" at 6377.77,9328.94 h60
  text "0.08mm (3.00mil)" at 7711.38,9328.94 h60
  text "-" at 9044.99,9328.94 h60
  text "-" at 10074.69,9328.94 h60
  text "30" at 603.38,9178.94 h60
  text "2.00mm (78.74mil)" at 1203.22,9178.94 h60
  text "PTH" at 2302.9,9178.94 h60
  text "Round" at 2808.77,9178.94 h60
  text "Top Layer - Bottom Layer" at 3542.57,9178.94 h60
  text "Pad" at 5042.13,9178.94 h60
  text "Rounded" at 5631.97,9178.94 h60
  text "0.08mm (3.00mil)" at 6377.77,9178.94 h60
  text "0.08mm (3.00mil)" at 7711.38,9178.94 h60
  text "-" at 9044.99,9178.94 h60
  text "-" at 10074.69,9178.94 h60
  text "2" at 603.38,9028.94 h60
  text "3.05mm (120.08mil)" at 1203.22,9028.94 h60
  text "PTH" at 2302.9,9028.94 h60
  text "Round" at 2808.77,9028.94 h60
  text "Top Layer - Bottom Layer" at 3542.57,9028.94 h60
  text "Pad" at 5042.13,9028.94 h60
  text "Rounded" at 5631.97,9028.94 h60
  text "0.13mm (5.00mil)" at 6377.77,9028.94 h60
  text "0.13mm (5.00mil)" at 7711.38,9028.94 h60
  text "-" at 9044.99,9028.94 h60
  text "-" at 10074.69,9028.94 h60
  text "8" at 603.38,8878.94 h60
  text "4.50mm (177.17mil)" at 1203.22,8878.94 h60
  text "PTH" at 2302.9,8878.94 h60
  text "Round" at 2808.77,8878.94 h60
  text "Top Layer - Bottom Layer" at 3542.57,8878.94 h60
  text "Pad" at 5042.13,8878.94 h60
  text "Rounded" at 5631.97,8878.94 h60
  text "0.13mm (5.00mil)" at 6377.77,8878.94 h60
  text "0.13mm (5.00mil)" at 7711.38,8878.94 h60
  text "-" at 9044.99,8878.94 h60
  text "-" at 10074.69,8878.94 h60
  text "2" at 603.38,8728.94 h60
  text "9.00mm (354.33mil)" at 1203.22,8728.94 h60
  text "NPTH" at 2302.9,8728.94 h60
  text "Round" at 2808.77,8728.94 h60
  text "Top Layer - Bottom Layer" at 3542.57,8728.94 h60
  text "Pad" at 5042.13,8728.94 h60
  text "Rounded" at 5631.97,8728.94 h60
  text "0.13mm (5.00mil)" at 6377.77,8728.94 h60
  text "0.13mm (5.00mil)" at 7711.38,8728.94 h60
  text "-" at 9044.99,8728.94 h60
  text "-" at 10074.69,8728.94 h60
  text "F" at 68.41,8718.95 h66.67
  text "889 Total" at 603.38,8578.94 h60
  text "Slot definitions :" at 97.5,8433.97 h60
  text "Routed Path Length" at 1130.19,8433.97 h60
  text "= Calculated from tool start centre position to tool end centre position." at 2232.86,8433.97 h60
  text "Hole Length" at 1130.19,8333.99 h60
  text "= Routed Path Length + Tool Size = Slot length as defined in the PCB layout" at 1822.99,8333.99 h60

## Dimensions
100,8000 to 100,0 on Drill Drawing
0,100 to 8000,100 on Drill Drawing

## Text inside footprints (layer, text, board x,y; h text height)
J17: Top Overlay "5" at 7741.5,740.39 h40 r270; Top Overlay "2" at 7839.13,1063.23 h40 r270; Top Overlay "6" at 7841.5,740.39 h40 r270; Top Overlay "1" at 7739.13,1051.42 h40 r270
Q2: Top Courtyard "Default Padstyle: EX60Y60D43P0" at 3125,3859.5 h50 r180